# Altium PCB MainBoard.PcbDoc (part 1 of 2)
Units mm, origin at the board's own origin, x right, y up, seen from the top; angles counter-clockwise.
Board outline 225.25 x 90.25 mm, 2 copper layers (Top Layer, Bottom Layer); 103 components, 94 nets, 471 pads, 174 vias.
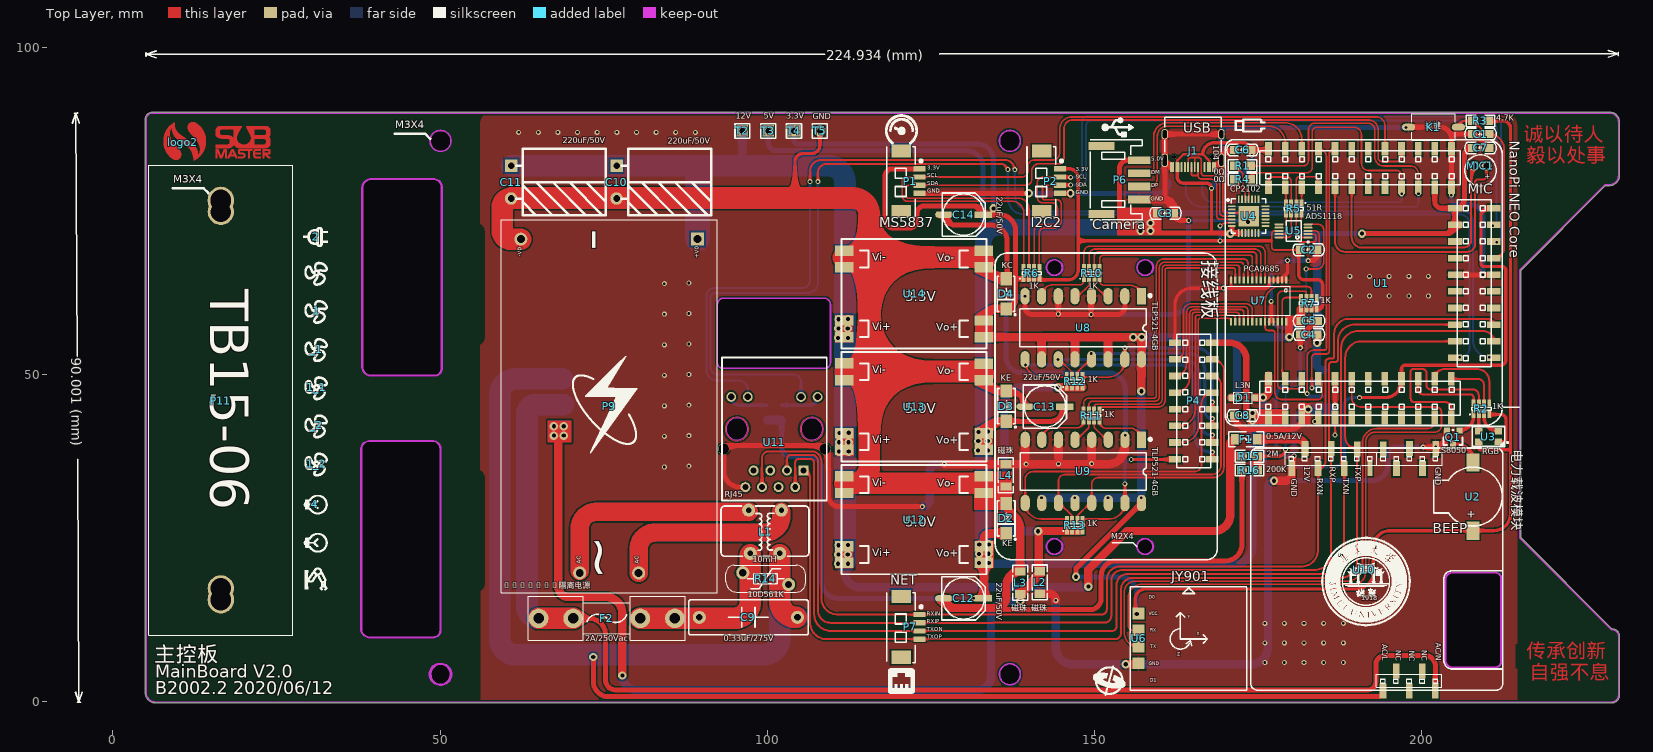
[diagram p0: Top Layer view]
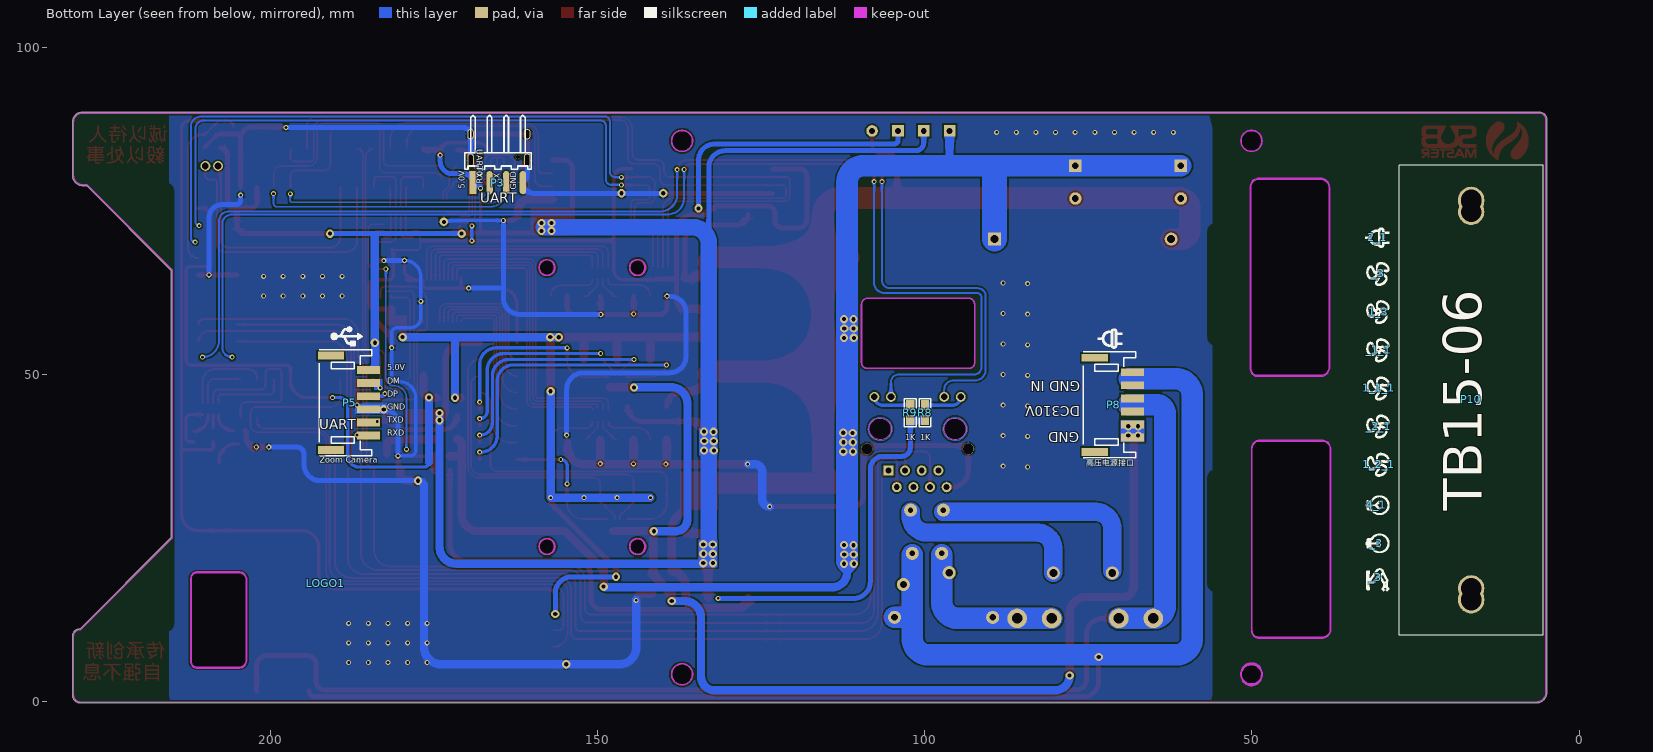
[diagram p1: Bottom Layer view, seen from below]

## Layer stack, top to bottom
Top Solder: solder mask 0.0102, Solder Resist, Dk 3.5
Top Layer: signal copper 0.0356
Dielectric 1: dielectric 0.32, FR-4, Dk 4.8
Bottom Layer: signal copper 0.0356
Bottom Solder: solder mask 0.0102, Solder Resist, Dk 3.5

## Board outline
6.566,-0.178 cw(c6.566,1.45) 4.939,1.45 4.939,88.926 cw(c6.09,88.926) 5.956,90.069 cw(c6,89.95) 6,90.077 228.695,90.077 cw(c228.695,88.578) 230.194,88.578 230.194,80.431 cw(c228.636,80.431) 228.636,78.873 228.053,78.873 215.127,65.947 215.127,25.053 229.053,11.127 229.066,11.127 cw(c229.066,10) 230.194,10 230.194,1.066 cw(c228.95,1.066) 228.95,-0.178 cw(c228.95,-0.05) 228.949,-0.178 6.566,-0.178 cw(c6.566,-0.05)
cut-out: 137.066,2.6 cw(c137.066,4.2) 135.466,4.2 cw(c137.066,4.2) 137.066,5.8 cw(c137.066,4.2) 138.666,4.2 cw(c137.066,4.2)
cut-out: 137.066,84.1 cw(c137.066,85.7) 135.466,85.7 cw(c137.066,85.7) 137.066,87.3 cw(c137.066,85.7) 138.666,85.7 cw(c137.066,85.7)
cut-out: 51.793,4.2 cw(c50.066,4.2) 51.793,4.226 cw(c51.666,4.224) 51.793,4.224 cw(c51.666,4.224) 51.538,4.222 cw(c51.666,4.224) 51.793,4.226 cw(c50.066,4.2)
cut-out: 51.793,4.2 cw(c50.066,4.2) 51.793,4.25 cw(c51.665,4.246) 51.793,4.246 cw(c51.665,4.246) 51.538,4.243 ccw(c50.066,4.2) 51.539,4.2 ccw(c50.066,4.2) 51.538,4.222 cw(c51.666,4.224) 51.793,4.226 cw(c50.066,4.2)
cut-out: 51.793,4.2 cw(c50.066,4.2) 51.793,4.25 cw(c51.665,4.246) 51.793,4.246 cw(c51.665,4.246) 51.538,4.243 ccw(c50.066,4.2) 51.539,4.2 ccw(c50.066,4.2) 51.538,4.222 cw(c51.666,4.224) 51.793,4.226 cw(c50.066,4.2)
cut-out: 50.072,84.104 cw(c50.072,85.704) 48.472,85.704 cw(c50.072,85.704) 50.072,87.304 cw(c50.072,85.704) 51.672,85.704 cw(c50.072,85.704)
cut-out: 93.202,50.951 cw(c93.202,51.789) 92.363,51.789 92.363,60.73 cw(c93.288,60.73) 93.288,61.655 108.7,61.655 cw(c108.7,60.715) 109.64,60.715 109.64,51.825 cw(c108.766,51.825) 108.766,50.951
cut-out: 38.073,51.003 cw(c38.193,51.045) 38.066,51.045 38.066,78.555 cw(c39.483,78.555) 39.483,79.972 49.001,79.972 cw(c49.001,78.653) 50.32,78.653 50.32,50.936 cw(c49.102,50.936) 49.102,49.717 39.493,49.717 cw(c39.493,51.145)
cut-out: 37.88,11.003 cw(c38,11.045) 37.873,11.045 37.873,38.555 cw(c39.29,38.555) 39.29,39.972 48.808,39.972 cw(c48.808,38.653) 50.127,38.653 50.127,10.936 cw(c48.909,10.936) 48.909,9.717 39.3,9.717 cw(c39.3,11.145)

## Design rules (kind name [scope] priority, off if disabled: settings)
Clearance Clearance_1 [All] p1: gap=0.178
ComponentClearance [All] p1: gap=0 collisioncheckmode=3 verticalgap=0 showdistances=FALSE
PolygonConnect [All] p1: connectstyle=Relief reliefconductorwidth=0.254 reliefentries=4 polygonreliefangle="90 Angle" airgapwidth=0.254
RoutingVias [All] p1: holewidth=0.711 width=1.27 viastyle="Through Hole" minholewidth=0.711 minwidth=1.27 maxholewidth=0.711 maxwidth=1.27
SolderMaskExpansion [All] p1: expansion=0.102
Width [All] p1: maxlimit=10 minlimit=0.127 preferedwidth=0.254
29 further rules are at their usual default settings.

## Classes and differential pairs
component class main: LOGO1 logo2
component class devices: C1 C2 C3 C4 C5 F1 J1 K1 MIC1 P1 P2 P3 P4 P5 P6 P7 Q1 R1 R2 R3 R4 R5 R6 R7 R8 R9 R10 R11 R12 R13 R? U2 U3 U4 U5 U6 U7 U8 U9 U10 U11
component class power: C9 C10 C11 C12 C13 C14 D2 D3 D4 F2 F? L1 L2 L3 L4 P8 P9 P10 P11 R14 R15 R16 T2 T3 T4 T5 U12 U13 U14
component class core: C6 C7 C8 D1 U1

## Components (designator, comment, footprint, x,y, rotation, side; value= is the part's Value field where it differs from the comment)
1 "" "旋浆 logo" 31.175,59.724 r0 top
1_1 "" "旋浆 logo" 31.175,48.067 r0 top
1_1_1 "" "旋浆 logo" 30.625,47.965 r180 bottom
1_2 "" "旋浆 logo" 31.175,36.409 r0 top
1_2_1 "" "旋浆 logo" 30.625,36.308 r180 bottom
1_3 "" "旋浆 logo" 30.625,59.622 r180 bottom
2 "" "电源 LOGO" 31.034,71.07 r270 top
2_1 "" "电源 LOGO" 30.767,70.968 r270 bottom
4 "" "LOGO Light" 30.851,30.177 r270 top
4_1 "" "LOGO Light" 30.95,30.076 r270 bottom
_1 "" "旋浆 logo" 31.175,53.895 r0 top
_1_1 "" "旋浆 logo" 30.625,53.794 r180 bottom
_2 "" "旋浆 logo" 31.175,42.238 r0 top
_2_1 "" "旋浆 logo" 30.625,42.136 r180 bottom
_3 "" "旋浆 logo" 30.625,65.451 r180 bottom
_3 "" "LOGO Light" 30.95,24.247 r270 bottom
_3 "" "LOGO 机械臂" 31.064,19.005 r270 bottom
C1 "104" 0805C 207.721,86.843 r0 top
C2 "104" 0805C 181.458,69.19 r0 top
C3 "104" 0805C 159.588,74.752 r0 top
C4 "104" 0805C 183.998,56.007 r180 top
C5 "104" 0805C 184.023,58.09 r180 top
C6 "104" 0805C 171.374,84.43 r0 top
C7 "104" 0805C 210.21,84.506 r180 top
C8 "104" 0805C 171.399,43.866 r0 top
C9 "0.33uF/275V" "CX 15*18*11" 97.155,12.954 r180 top
C10 "220uF/50V" "CAP 5.0*10*12.5-H - GD" 84.709,79.502 r270 top
C11 "220uF/50V" "CAP 5.0*10*12.5-H - GD" 68.605,79.502 r270 top
C12 "22uF/50V" "CM D(6.3*5.4)" 129.997,15.799 r0 top
C13 "22uF/50V" "CM D(6.3*5.4)" 142.443,45.11 r0 top
C14 "22uF/50V" "CM D(6.3*5.4)" 130.023,74.447 r0 top
D1 "L3N" SOD-123 172.542,46.609 r180 top
D2 "KE" SMA 136.804,28.499 r270 top
D3 "KE" SMA 136.83,45.644 r270 top
D4 "KC" SMA 136.779,62.814 r270 top
F1 "0.5A/12V" 1206F 173.457,39.903 r0 top
F2 "2A/250Vac" "FU 5x20" 76.149,12.421 r0 top
J1 "TypeC" "TYPE-C 16P" 164.897,85.065 r90 top
K1 "按键" 贴片按键 205.435,87.884 r180 top
L1 "10mH" T12x6x4 99.695,25.908 r90 top
L2 "磁珠" 1206L 141.681,16.561 r90 top
L3 "磁珠" 1206L 138.582,19.863 r270 top
L4 "磁珠" 1206L 136.398,36.271 r270 top
LOGO1 "" JMU_LOGO(1.35cm) 191.516,18.136 r0 bottom (schematic designator logo1)
logo2 "" "Sub master logo" 10.679,85.522 r0 top
MIC1 "MIC" MIC 208.966,81.001 r270 top
P1 "深度传感器" MX1.25WS-4PIN 120.523,84.226 r270 top
P2 "I2C-2" MX1.25WS-4PIN 141.986,84.226 r270 top
P3 "UART0" HDR2.54-WS-4P 165.125,83.312 r180 bottom
P4 "PWM接口" "接线板（ROV PWM）" 151.339,43.61 r0 top locked
P5 "Zoom Camera" PH2.0WS-6P 188.339,45.44 r270 bottom locked
P6 "Camera" PH2.0WS-4P 153.035,79.502 r270 top
P7 "网络接口" MX1.25WS-4PIN 120.523,16.11 r270 top
P8 "高压电源接口" PH2.0WS-6P 71.641,45.11 r270 bottom
P9 "Hi-Link隔离电源" HLK-20M24 59.334,16.688 r90 top locked
P10 "TB15-06" TB1506 16,46.2 r90 bottom
P11 "TB15-06" TB1506 16,46 r270 top
Q1 "S8050" SOT-23 205.664,41.3 r180 top
R1 "0Ω" 0805R 171.297,81.89 r0 top
R2 "1K" res-4 209.042,44.831 r90 top
R3 "4.7K" 0805R 207.645,88.748 r0 top
R4 "0Ω" 0805R 171.297,79.832 r0 top
R5 "51R" res-4 180.492,75.311 r270 top
R6 "1K" res-4 140.31,65.557 r90 top
R7 "1K" res-4 182.804,60.833 r270 top
R8 "1K" 0805R 99.924,42.875 r90 bottom
R9 "1K" 0805R 102.184,42.875 r90 bottom
R10 "1K" res-4 149.505,65.557 r90 top
R11 "1K" res-4 149.581,43.688 r270 top
R12 "1K" res-4 146.888,49.022 r90 top
R13 "1K" res-4 146.914,27.026 r90 top
R14 "10D561K" "VDR 10D-4.5" 100.228,19.304 r180 top
R15 "2M" 0805R 172.347,37.516 r0 top
R16 "200K" 0805R 174.955,35.408 r180 top
T2 "12V" "HEADER 1"#1 96.317,87.224 r0 top
T3 "5V" "HEADER 1"#1 100.262,87.224 r0 top
T4 "3.3V" "HEADER 1"#1 104.208,87.224 r0 top
T5 "GND" "HEADER 1"#2 108.153,87.224 r0 top
U1 "NanoPi NEO Core" "NanoPi NEO Core(无引脚名)" 192.456,63.906 r270 top locked
U2 "Buzzer" MLT-9032 208.229,31.191 r90 top
U3 "RGB" RGB-3528 208.712,41.3 r0 top
U4 "CP2102" QFN-28 171.628,76.124 r0 top
U5 "ADS1118" VSSOP-10 182.626,70.96 r180 top
U6 "JY901" 9轴模块(简易版) 162.763,9.423 r0 top
U7 "PCA9685" TSSOP-28 179.172,64.592 r270 top locked
U8 "TLP521-4GB" SOP16-W2.54_M 148.158,57.277 r270 top locked
U9 "TLP521-4GB" SOP16-W2.54_M 148.184,35.331 r270 top locked
U10 "电力载波模块" 电力载波模块6410（贴片排母） 192.303,19.329 r270 top locked
U11 "RJ45" RJ45 95.148,41.707 r0 top locked
U12 "5.0V" MP1584电源模块 113.182,31.937 r0 top locked
U13 "5.0V" MP1584电源模块 113.182,49.179 r0 top locked
U14 "3.3V" MP1584电源模块 113.182,66.421 r0 top locked
? "" "LOGO 机械臂" 30.737,19.107 r270 top
? "" "LOGO Light" 30.851,24.349 r270 top
? "" LOGO_Thunder 77.445,45.212 r0 top
? "" "电源 LOGO" 71.603,55.55 r270 bottom
? "" "USB LOGO - duplicate" 153.365,87.935 r0 top
? "" "USB LOGO - duplicate" 188.468,55.931 r180 bottom
? "" "USBC LOGO" 173.825,88.075 r90 top
? "" "ethernet LOGO" 120.472,3.15 r0 top
? "" "气压 LOGO" 120.472,87.3 r0 top
? "" "旋浆 logo" 31.175,65.553 r0 top
? "" "陀螺仪 logo" 152.121,2.997 r0 top

## Footprints (in the part's own frame and the unit in brackets; to place one, negate y for a bottom-side part, rotate by r counter-clockwise, add the part's x,y. Pads: shape width x height; smd on the part's side, far side on the other; paste and mask are expansions set on the pad)
9轴模块(简易版) [mil]
  rect 70x70 smd: 2(-238.19,159.91) 3(-238.19,59.91) 4(-238.19,-40.09) 5(-238.19,-140.09)
  silkscreen extent -288,-302 413,321, body extent -254,-303 378,322, height 87
0805C [mm]
  rect 1.35x1.25 smd: 1(-0.025,-0.112) 2(2.515,-0.112)
  silkscreen extent -1.15,-1 3.64,0.78, body extent -0.03,-0.75 2.48,0.5, height 0.79
0805R [mil]
  rect 60x50 smd: 1(6.34,0.5) 2(96.34,0.5)
  silkscreen extent -34,-34 136,36, body extent 2,-24 101,24, height 31
1206F [mil] "保险丝"
  rect 50x65 smd: 1(-79.5,8) 2(55.5,8)
  silkscreen extent -117,-37 93,53, body extent -75,-24 51,40, height 34
1206L [mil]
  rect 50x65 smd: 1(-1.59,1.89) 2(133.41,1.89)
  silkscreen extent -39,-43 171,47, body extent 3,-28 129,35, height 35
"CAP 5.0*10*12.5-H - GD" [mm] "脚距5mm直径10mm高度12.5mm"
  rect 1.9x1.9 hole 1: 1(-2.398,-7.747)
  round 1.9 hole 1: 2(2.602,-7.747)
  silkscreen extent -4.98,-6.98 5.18,6.73, body extent -4.9,-8.05 5.11,6.66, height 10.03
"CM D(6.3*5.4)" [mm] "贴片电解电容，直径6.3mm，高5.4mm"
  rect 2.7x1 smd: 1(2.975,0)
  oval 2.7x1 smd: 2(-3.025,0)
  silkscreen extent -3.33,-3.3 3.27,3.3, body extent -3.53,-3.3 3.47,3.3, height 5.4
"CX 15*18*11" [mm] "安规电容"
  round 2 hole 1: 1(-7.449,0.051) 2(7.551,0.051)
  silkscreen extent -9.12,-2.62 9.14,2.72, body extent -8.97,-2.46 9.03,2.54, height 11.01
"ethernet LOGO" [mm]
  silkscreen extent -2.02,-1.84 2.02,1.97
"FU 5x20" [mm] "5*20保险管底座夹子"
  round 3 hole 1.6: 1(-11.086,0.33) 1(-5.816,0.33) 2(4.444,0.33) 2(9.714,0.33)
  silkscreen extent -12.69,-3.05 11.31,3.71, body extent -11.49,-2.82 10.11,3.48, height 9.77
HDR2.54-WS-4P [mm] "4P卧式贴片排针2.54"
  rect 1.02x3.5 smd: 1(-3.886,-3.976)
  oval 1.02x3.5 smd: 2(-1.346,-3.976) 3(1.194,-3.976) 4(3.734,-3.976)
  silkscreen extent -5.16,-1.94 5,6.31, body extent -5.16,-4.74 5,6.36, height 2.54
"HEADER 1"#1 [mil]
  rect 70x70 hole 35: 1(-5,0)
  silkscreen extent -50,-45 40,44
"HEADER 1"#2 [mil]
  round 70 hole 35: 1(-5,0)
  silkscreen extent -50,-45 40,44
HLK-20M24 [mm] "HILINK 24V隔离电源模块"
  round 2 hole 1.2: 1(3,-12) 2(3,-21) 4(54,-3)
  rect 2x2 hole 1.2: 3(54,-30)
  silkscreen extent 0,-33 57,0, body extent 0,-33 57,0, height 22.6
JMU_LOGO(1.35cm) [mm]
"LOGO Light" [mm]
  silkscreen extent -1.42,-1.6 1.49,1.95
"LOGO 机械臂" [mm]
  silkscreen extent -1.37,-1.36 2.08,2.07
LOGO_Thunder [mm]
  silkscreen extent -7.24,-7.19 2.67,7.62
MIC [mm]
  round 1.5 hole 1.016: 1(-0.875,0.925) 2(-0.875,-1)
  silkscreen extent -2.6,-2.4 2.2,2.4, body extent -3.1,-2.97 2.9,3.02, height 2.21
MLT-9032 [mm]
  rect 2.8x2 smd: 1(-5.04,0.429) 2(5.36,0.429)
  silkscreen extent -4.34,-4.07 4.66,6.43, body extent -5.07,-4.07 5.43,6.43, height 3.2
MP1584电源模块 [mm]
  rect 2.8x1.6 smd: 1(-1.441,-0.032) 1(-1.441,2.519) 2(-1.441,-10.7) 2(-1.441,-8.16) 3(19.901,-10.7) 3(19.901,-8.16) 4(19.901,-0.032) 4(19.901,2.508)
  silkscreen extent -1.82,-12.45 20.28,4.26, body extent -1.97,-12.42 20.3,4.18, height 4.65
MX1.25WS-4PIN [mm]
  rect 2x3 smd: 0(0.042,-0.076) 0(9.306,-0.076)
  rect 0.8x1.778 smd: 1(2.785,2.734) 2(4.035,2.734) 3(5.285,2.734) 4(6.535,2.734)
  silkscreen extent -0.56,-2.3 10.12,3.17, body extent -0.47,-2.04 9.68,3.15, height 3.4
"NanoPi NEO Core(无引脚名)" [mm]
  rect 2.1x1.02 smd: 1(-20.612,-15.878) 2(-14.712,-15.878) 3(-20.612,-13.338) 4(-14.712,-13.338) 5(-20.612,-10.798) 6(-14.712,-10.798) 7(-20.612,-8.258) 8(-14.712,-8.258) 9(-20.612,-5.718) 10(-14.712,-5.718) 11(-20.612,-3.178) 12(-14.712,-3.178) 13(-20.612,-0.638) 14(-14.712,-0.638) 15(-20.612,1.902) 16(-14.712,1.902) 17(-20.612,4.442) 18(-14.712,4.442) 19(-20.612,6.982) 20(-14.712,6.982) 21(-20.612,9.522) 22(-14.712,9.522) 23(-20.612,12.062) 24(-14.712,12.062) 25(14.55,-15.883) 26(20.45,-15.883) 27(14.55,-13.343) 28(20.45,-13.343) 29(14.55,-10.803) 30(20.45,-10.803) 31(14.55,-8.263) 32(20.45,-8.263) 33(14.55,-5.723) 34(20.45,-5.723) 35(14.55,-3.183) 36(20.45,-3.183) 37(14.55,-0.643) 38(20.45,-0.643) 39(14.55,1.897) 40(20.45,1.897) 41(14.55,4.437) 42(20.45,4.437) 43(14.55,6.977) 44(20.45,6.977) 45(14.55,9.517) 46(20.45,9.517) 47(14.55,12.057) 48(20.45,12.057)
  rect 1.02x2.1 smd: 49(11.359,12.625) 50(11.359,18.525) 51(8.819,12.625) 52(8.819,18.525) 53(6.279,12.625) 54(6.279,18.525) 55(3.739,12.625) 56(3.739,18.525) 57(1.199,12.625) 58(1.199,18.525) 59(-1.341,12.625) 60(-1.341,18.525) 61(-3.881,12.625) 62(-3.881,18.525) 63(-6.421,12.625) 64(-6.421,18.525) 65(-8.961,12.625) 66(-8.961,18.525) 67(-11.501,12.625) 68(-11.501,18.525)
  silkscreen extent -21.98,-22.47 21.7,19.85, body extent -20.96,-17.21 20.6,18.67, height 5.15
PH2.0WS-4P [mm]
  rect 1.2x4 smd: 0(-5.445,-1.962) 0(4.955,-1.962)
  rect 1.2x3.5 smd: 1(-3.245,3.788) 2(-1.245,3.788) 3(0.755,3.788) 4(2.755,3.788)
  silkscreen extent -6.34,-3.73 5.85,4.27, body extent -6.24,-3.61 5.76,4.99, height 5.55
PH2.0WS-6P [mm]
  rect 1.2x4 smd: 0(-7.453,-2.365) 0(6.947,-2.365)
  rect 1.2x3.5 smd: 1(-5.253,3.385) 2(-3.253,3.385) 3(-1.253,3.385) 4(0.747,3.385) 5(2.747,3.385) 6(4.747,3.385)
  silkscreen extent -8.35,-4.14 7.84,3.86, body extent -8.25,-4.01 7.75,4.59, height 5.55
QFN-28 [mm] "CP2102  USB转串口芯片"
  rect 3.13x3.13 smd mask+0.051: 0(1.909,-1.918)
  oval 1.2x0.28 smd mask+0.051: 1(-0.668,-0.418) 2(-0.668,-0.918) 3(-0.668,-1.418) 4(-0.668,-1.918) 5(-0.668,-2.418) 6(-0.668,-2.918) 7(-0.668,-3.418) 15(4.486,-3.418) 16(4.486,-2.918) 17(4.486,-2.418) 18(4.486,-1.918) 19(4.486,-1.418) 20(4.486,-0.918) 21(4.486,-0.418)
  oval 0.28x1.2 smd mask+0.051: 8(0.409,-4.495) 9(0.909,-4.495) 10(1.409,-4.495) 11(1.909,-4.495) 12(2.409,-4.495) 13(2.909,-4.495) 14(3.409,-4.495) 22(3.409,0.66) 23(2.909,0.66) 24(2.409,0.66) 25(1.909,0.66) 26(1.409,0.66) 27(0.909,0.66) 28(0.409,0.66)
  silkscreen extent -1.39,-4.57 4.56,0.73, body extent -0.58,-4.42 4.42,0.58, height 1
res-4 [mil] "排阻"
  rect 40x23.62 smd: 1(-37,45) 2(-37,13.5) 3(-37,-17.99) 4(-37,-49.49) 5(33,-49.49) 6(33,-17.99) 7(33,13.5) 8(33,45)
  silkscreen extent -37,-60 7,68, body extent -33,-66 30,60, height 23
RGB-3528 [mm]
  rect 1.2x1 smd: 1(-0.029,0.03) 2(-0.029,-1.57) 3(2.971,0.03) 4(2.971,-1.57)
  silkscreen extent -1.01,-2.3 4.51,0.76, body extent -0.32,-2.2 3.18,0.6, height 1.9
RJ45 [mm]
  rect 1.524x1.524 hole 0.889: 1(10.38,-6.369)
  round 1.524 hole 0.889: 2(9.11,-8.909) 3(7.84,-6.369) 4(6.57,-8.909) 5(5.3,-6.369) 6(4.03,-8.909) 7(2.76,-6.369) 8(1.49,-8.909)
  round 1.5 hole 1.02: 9(12.53,4.881) 10(9.994,4.881) 11(1.866,4.881) 12(-0.67,4.881)
  round 1.7 hole 1.65: 13(13.68,-3.067) 14(-1.82,-3.067)
  round 2.95 hole 3.25: MH3(0.214,-0.032) MH3(11.644,-0.032)
  Keep-Out Layer circle w0.051: c11.646,-0.019 r1.65
  Keep-Out Layer circle w0.051: c0.216,-0.019 r1.65
  Multi-Layer circle w0.127: c0.214,-0.032 r1.798
  Multi-Layer circle w0.127: c11.644,-0.032 r1.798
  silkscreen extent -2.07,-10.94 13.93,10.9, body extent -2.09,-10.6 13.79,10.8, height 14
SMA [mm] "二极管"
  rect 2x1.75 smd: 1(-1.829,-0.305) 2(2.771,-0.305)
  silkscreen extent -2.23,-1.65 3.78,1.19, body extent -2.06,-1.63 3.05,0.97, height 2.15
SOD-123 [mm]
  rect 0.8x1 smd: 1(-1.988,0.151) 2(1.67,0.151)
  silkscreen extent -1.56,-0.7 1.24,1, body extent -2.06,-0.74 1.79,0.96, height 1.43
SOP16-W2.54_M [mm]
  rect 2.5x1.4 smd: 1(-4.699,8.992)
  oval 2.5x1.4 smd: 2(-4.699,6.452) 3(-4.699,3.912) 4(-4.699,1.372) 5(-4.699,-1.168) 6(-4.699,-3.708) 7(-4.699,-6.248) 8(-4.699,-8.788) 9(4.953,-8.788) 10(4.953,-6.248) 11(4.953,-3.708) 12(4.953,-1.168) 13(4.953,1.372) 14(4.953,3.912) 15(4.953,6.452) 16(4.953,8.992)
  silkscreen extent -4.93,-9.57 3,10.47, body extent -4.87,-9.81 5.13,10.01, height 3.82
SOT-23 [mil]
  rect 36x36 smd: 1(-2.52,-5.16) 2(72.48,-5.16)
  rect 36x50 smd: 3(35.48,74.84)
  silkscreen extent -23,-10 92,80, body extent -22,-18 92,92, height 47
"Sub master logo" [mm]
  Top Layer drawing of 1550 lines, arcs and shapes, not listed
T12x6x4 [mm]
  round 2 hole 0.8: 1(-3.224,2.301) 2(3.376,2.551) 3(3.376,-2.449) 4(-3.224,-2.199)
  silkscreen extent -3.68,-6.68 4.01,6.78, body extent -3.53,-6.55 3.87,6.65, height 12
TB1506 [mm]
  round 4 hole 3.1: 0(-30.5,0.5) 0(-28.85,0.5) 0(28.65,0.5) 0(30.5,0.5)
  silkscreen extent -36,-10.5 35.8,11.5, body extent -36.6,-10.5 36.4,11.5, height 17
TSSOP-28 [mm]
  rect 1.1x0.35 smd: 1(0.134,0.126) 2(0.134,-0.524) 3(0.134,-1.174) 4(0.134,-1.824) 5(0.134,-2.474) 6(0.134,-3.124) 7(0.134,-3.774) 8(0.134,-4.424) 9(0.134,-5.074) 10(0.134,-5.724) 11(0.134,-6.374) 12(0.134,-7.024) 13(0.134,-7.674) 14(0.134,-8.324) 15(6.534,-8.324) 16(6.534,-7.674) 17(6.534,-7.024) 18(6.534,-6.374) 19(6.534,-5.724) 20(6.534,-5.074) 21(6.534,-4.424) 22(6.534,-3.774) 23(6.534,-3.124) 24(6.534,-2.474) 25(6.534,-1.824) 26(6.534,-1.174) 27(6.534,-0.524) 28(6.534,0.126)
  silkscreen extent 1.13,-8.95 5.53,0.75, body extent 0.15,-8.95 6.55,0.75, height 0.92
"TYPE-C 16P" [mm] "贴片USB-3.1  4固定插脚"
  round 0.65 hole 0.65: 0(-1.834,2.735) 0(-1.834,-3.045)
  oval 1.6x1 hole 0.6 slot 1.2 at 0 deg: 1(1.666,4.17) 2(1.666,-4.48)
  oval 2.1x1 hole 0.6 slot 1.7 at 0 deg: 3(-2.334,-4.48) 4(-2.334,4.17)
  rrect50% 1.5x0.3 smd: A1(-3.374,-3.505) A4(-3.374,-2.705) A6(-3.374,-0.405) A7(-3.374,0.095) A8(-3.374,1.095) A9(-3.374,2.395) A12(-3.374,3.195) B1(-3.374,2.895) B4(-3.374,2.095) B5(-3.374,1.595) B6(-3.374,0.595) B7(-3.374,-0.905) B8(-3.374,-1.905) B9(-3.374,-2.405) B12(-3.374,-3.205)
  rrect50% 0x0 smd: A5(-3.374,-1.405)
  silkscreen extent -1.07,-4.48 4.27,4.17, body extent -3.45,-4.65 4.45,4.29, height 3.25
"USB LOGO - duplicate" [mm]
  silkscreen extent -2.29,-1.62 2.59,1.34
"USBC LOGO" [mm]
  silkscreen extent -1.07,-2.23 1,2.3
"VDR 10D-4.5" [mm] "压敏电阻10mm*4.5mm(直径*厚度）"
  round 2 hole 1.1: 1(-3.017,1.383) 2(3.983,-0.417)
  silkscreen extent -5.61,-1.55 6.58,2.53, body extent -5.52,-1.52 6.48,2.48, height 13.5
VSSOP-10 [mm]
  oval 1.35x0.3 smd: 1(0,0.008) 2(0,-0.492) 3(0,-0.992) 4(0,-1.492) 5(0,-1.992) 6(4.45,-1.992) 7(4.45,-1.492) 8(4.45,-0.992) 9(4.45,-0.492) 10(4.45,0.008)
  silkscreen extent -0.13,-2.54 3.37,0.83, body extent -0.24,-2.48 4.69,0.53, height 1.1
"接线板（ROV PWM）" [mm]
  rect 1.9x1.02 smd: 1(16.643,-6.533) 2(10.943,-6.533) 3(16.643,-3.993) 4(10.943,-3.993) 5(16.643,-1.453) 6(10.943,-1.453) 7(16.643,1.087) 8(10.943,1.087) 9(16.643,3.627) 10(10.943,3.627) 11(16.643,6.167) 12(10.943,6.167) 13(16.643,8.707) 14(10.943,8.707) 15(16.643,11.247) 16(10.943,11.247)
  Keep-Out Layer circle w0.254: c-7.506,22.739 r1.2
  Keep-Out Layer circle w0.254: c6.344,22.739 r1.2
  Keep-Out Layer circle w0.254: c6.344,-19.883 r1.2
  Keep-Out Layer circle w0.254: c-7.506,-19.883 r1.2
  Keep-Out Layer board cut-out: -7.379,21.539 -7.838,21.631 -8.227,21.891 -8.487,22.28 -8.579,22.739 -8.579,22.739 -8.487,23.198 -8.227,23.588 -7.838,23.848 -7.379,23.939 -7.379,23.939 -6.919,23.848 -6.53,23.588 -6.27,23.198 -6.179,22.739 -6.179,22.739 -6.27,22.28 -6.53,21.891 -6.919,21.631 -7.379,21.539
  Keep-Out Layer board cut-out: 6.471,21.539 6.012,21.631 5.623,21.891 5.363,22.28 5.271,22.739 5.271,22.739 5.363,23.198 5.623,23.588 6.012,23.848 6.471,23.939 6.471,23.939 6.931,23.848 7.32,23.588 7.58,23.198 7.671,22.739 7.671,22.739 7.58,22.28 7.32,21.891 6.931,21.631 6.471,21.539
  Keep-Out Layer board cut-out: 6.471,-21.083 6.012,-20.991 5.623,-20.731 5.363,-20.342 5.271,-19.883 5.271,-19.883 5.363,-19.423 5.623,-19.034 6.012,-18.774 6.471,-18.683 6.471,-18.683 6.931,-18.774 7.32,-19.034 7.58,-19.423 7.671,-19.883 7.671,-19.883 7.58,-20.342 7.32,-20.731 6.931,-20.991 6.471,-21.083
  Keep-Out Layer board cut-out: -7.379,-21.083 -7.838,-20.991 -8.227,-20.731 -8.487,-20.342 -8.579,-19.883 -8.579,-19.883 -8.487,-19.423 -8.227,-19.034 -7.838,-18.774 -7.379,-18.683 -7.379,-18.683 -6.919,-18.774 -6.53,-19.034 -6.27,-19.423 -6.179,-19.883 -6.179,-19.883 -6.27,-20.342 -6.53,-20.731 -6.919,-20.991 -7.379,-21.083
  silkscreen extent -16.55,-21.88 17.38,24.96, body extent -16.55,-22.26 17.37,25.21, height 15.58
"旋浆 logo" [mm]
  silkscreen extent -1.88,-1.89 1.63,1.65
"气压 LOGO" [mm]
  silkscreen extent -2.46,-2.06 2.51,2.45
电力载波模块6410（贴片排母） [mil]
  rect 90.16x40.16 smd mask+0: 0(575,148.26) 1(-762,385.74) 2(-642,307) 3(-762,228.26) 4(-641,150) 5(-761,71.26) 7(-761,-86.22) 8(-642,-164) 9(-762,-242.74) 10(-642,-321.48) 11(-762,-400.22) 12(-642,-479.48) 13(695,69.52) 14(695,227) 15(575,305.74) 16(695,384.48)
  rect 90.16x30 smd mask+0: 6(-641,-7.48)
  Keep-Out Layer board cut-out: -20.6,484.79 -20.68,485.31 -20.71,485.83 -20.71,485.83 -20.71,742.94 -20.7,743.15 -20.69,743.37 -20.69,743.37 -14.73,763.6 0.4,778.29 20.8,783.64 20.8,783.64 519.25,783.64 519.25,783.65 538.73,778.42 553,764.16 558.22,744.68 558.22,744.68 558.22,486.18 558.19,485.63 558.1,485.08 558.1,485.08 550.82,463.27 533.99,447.61 511.71,441.93 511.71,441.93 21.71,441.93 20.83,442.01 19.97,442.24 19.97,442.24 19.97,442.24 0.16,449.41 -14.38,464.66 -20.6,484.79
  Keep-Out Layer lines w10: 25.31,446.94 cw(c25.31,487.94) -15.69,487.94 ; 21.71,446.94 511.71,446.94 ccw(c511.71,488.44) 553.2,488.44 ; -15.69,485.83 -15.69,742.94 ; 553.2,486.18 553.2,744.68 ccw(c519.25,744.68) 519.25,778.63 20.8,778.63 ccw(c20.8,742.14) -15.69,742.14
  silkscreen extent -766,-726 691,790, body extent -740,-518 674,427, height 217
"电源 LOGO" [mm]
  silkscreen extent -1.47,-1.85 1.57,1.77
贴片按键 [mil]
  oval 80x40 smd: 1(-5.71,2.8) 2(294.29,2.8)
  silkscreen extent 14,-76 274,82, body extent 24,-69 264,77, height 98
"陀螺仪 logo" [mm]
  silkscreen extent -2.35,-1.98 2.58,2.52

## Part data
C1 C2 C3 C4 C5 C6 C7 C8: library part Cap1, "无极贴片电容"
C9: library part Cap2, "安规电容"
C10 C11 C12 C13 C14: library part Cap3, "直插极性电容"
D1: library part Diode, "二极管30V/2A"
D2 D3 D4: library part Diode, "二极管"
F1 F2: library part Fuse, "保险丝"
K1: library part 贴片按键, "轻触开关"
L1: library part 共模电感
L2 L3 L4: library part L, "电感"
LOGO1: library part JMU_LOGO, "LOGO"
logo2: library part "Sub Master logo"
P1 P2 P6 P7: library part 接线端子-4PIN, "4PIN"
P3: library part "Header 4", "排针"
P4: library part "Header 2X8"
P5 P8: library part 接线端子-6PIN, "6PIN"
P9: library part HILINK-24V
Q1: library part NPN, "NPN三极管"
R1 R3 R4 R8 R9: library part Res, "电阻"
R2 R5 R6 R7 R10 R11 R12 R13: library part Res-4, "排阻"
R14: library part 压敏电阻
R15 R16: library part R1
T2 T3 T4 T5: library part 测试点, "测试点"
U2: "蜂鸣器"
U4: "USB转串口芯片"
U6: library part 9轴加速度计
U10: library part 电力载波模块6410
U12 U13 U14: library part MP1584电源模块

## Via types
v1: diameter 0.762, hole 0.406, Top Layer to Bottom Layer, 110 vias
v2: diameter 1.27, hole 0.635, Top Layer to Bottom Layer, 64 vias

## Nets (pads, with @x,y where several pads share a name; then routed paths per layer and width w, separated by ;. In a path a pad name is that pad's centre, name@x,y a point inside that pad or via, vN(x,y) a via of type N, cw(c..) or ccw(c..) an arc to the next point about the centre after c; other vN are vias at no path point)
+DC310V: F2.1 P8.3 P8.4 U10.16 | length 199
  Top Layer w0.762: F2.1@70.333,12.751 72.746,12.751 cw(c72.746,10.211) 75.286,10.211 75.286,3.327 ccw(c76.784,3.327) 76.784,1.829 191.77,1.829 ccw(c191.77,3.023) 192.964,3.023 192.964,5.658 cw(c194.392,5.658) 194.392,7.087 200.457,7.087 cw(c200.457,5.474) 202.069,5.474 U10.16@202.069,1.676
  Top Layer w3.302: F2.1@65.063,12.751 F2.1@70.333,12.751
  Bottom Layer w3.302: 68.885,45.39 64.594,45.39 ccw(c64.594,44.067) 63.271,44.067 63.271,14.543 ccw(c65.063,14.543) F2.1@65.063,12.751 F2.1@70.333,12.751
ADCIN0: U5.4
ADCIN1: R15.2 R16.1 U5.5 | length 47.5
  Top Layer w0.254: v1(182.321,66.116) 183.958,66.116 ccw(c183.958,67.147) 184.988,67.147 184.988,72.136 ccw(c184.173,72.136) 184.173,72.952 U5.5@182.626,72.952
  Top Layer w0.508: R15.2@174.794,37.529 178.118,37.529 ccw(c178.118,38.583) v1(179.172,38.583)
  Top Layer w1.27: R16.1@174.794,35.395 R15.2@174.794,37.529
  Bottom Layer w0.254: v1(179.172,38.583) 179.172,46.406 cw(c181.051,46.406) 181.051,48.285 ccw(c181.051,49.555) 182.321,49.555 v1(182.321,66.116)
BEEP(C0): R2.8 U1.43 | length 11.6
  Top Layer w0.305: U1.43@199.433,49.356 199.433,47.648 ccw(c200.09,47.648) 200.09,46.99 207.384,46.99 cw(c207.384,46.475) 207.899,46.475 R2.8@207.899,45.669
CP_USB_D+: J1.A6 J1.B6 U4.4 | length 17.4
  Top Layer w0.254: J1.B6@164.302,81.69 164.313,81.69 164.313,82.829 cw(c164.643,82.829) 164.643,83.16 165.302,83.16 ; J1.A6@165.302,81.69 165.302,83.16 ; U4.4@170.959,74.206 169.71,74.206 cw(c169.71,74.803) 169.113,74.803 169.113,79.527 ccw(c168.275,79.527) 168.275,80.366 166.751,80.366 cw(c166.751,80.797) 166.319,80.797 166.319,82.702 ccw(c165.862,82.702) 165.862,83.16 165.302,83.16
CP_USB_D-: J1.A7 J1.B7 U4.5 | length 14.4
  Top Layer w0.254: J1.A7@164.802,81.69 164.802,80.613 ccw(c164.998,80.613) 164.998,80.416 165.802,80.416 ; J1.B7@165.802,81.69 165.802,80.416 ; U4.5@170.959,73.706 170.21,73.706 169.245,73.706 cw(c169.245,74.295) 168.656,74.295 168.656,78.892 ccw(c167.665,78.892) 167.665,79.883 166.335,79.883 cw(c166.335,80.416) 165.802,80.416
DGND: C1.1 C2.2 C3.2 C4.2 C5.1 C6.1 C7.1 C8.1 J1.1 J1.2 J1.3 J1.4 J1.A1 J1.A12 J1.B1 J1.B12 K1.2 L2.1 L4.1 P1.4 P2.4 P3.4 P4.16 P5.4 P6.4 Q1.2 U1.23 U1.24 U1.30 U1.33 U1.59 U1.60 U4.0 U4.3 U5.3 U6.5 U7.1 U7.2 U7.3 U7.4 U7.5 U7.14 U7.24 U7.25 U8.2 U8.4 U8.6 U8.8 U9.2 U9.4 U9.6 U9.8 U10.1 U10.12 U11.8 U11.13 U11.14 | length 598.2
  Top Layer w0.254: J1.3@169.377,82.73 cw(c169.377,82.511) 169.596,82.511 169.596,75.311 ccw(c170.201,75.311) 170.201,74.706 U4.3@170.959,74.706 U4.0@173.037,74.706 ; v2(173.457,73.33) U4.0@173.457,74.286 ; U5.3@182.626,71.952 183.693,71.952 cw(c183.693,71.342) 184.302,71.342 184.302,69.718
  Top Layer w0.508: P4.16@162.282,54.856 162.282,60.655 cw(c164.822,60.655) 164.822,63.195 v1(169.672,63.195) 176.117,63.195 ccw(c176.117,63.776) 176.698,63.776 U7.5@176.698,64.458 U7.4@177.348,64.458 U7.3@177.998,64.458 ; 170.84,63.246 U7.14@170.84,64.821 ; U7.24@176.698,58.058 176.987,58.058 ; v1(176.987,61.189) 176.987,58.058 ; U7.25@177.348,58.058 176.987,58.058 ; U7.1@179.298,64.458 U7.2@178.648,64.458 U7.3@177.998,64.458 ; v1(179.476,67.437) 179.476,65.937 cw(c177.998,65.937) U7.3@177.998,64.458 ; C1.1@207.696,86.73 208.022,86.73 C7.1@210.134,84.618
  Top Layer w0.762: U11.8@96.638,32.798 95.868,32.798 cw(c95.868,35.338) 93.328,35.338 U11.14@93.328,38.64 cw(c93.855,38.64) 93.855,39.167 108.301,39.167 cw(c108.301,38.64) U11.13@108.828,38.64 cw(c108.828,38.121) 109.347,38.121 109.347,31.471 ccw(c110.998,31.471) 110.998,29.82 v1(123.673,29.82) ; P1.4@123.257,77.692 v2(139.936,77.692) ; v1(139.37,61.976) 139.37,60.278 ccw(c140.466,60.278) 140.466,59.182 v1(149.479,59.182) ; v1(144.45,59.258) U8.6@144.45,61.976 ; P2.4@144.72,77.692 v2(146.322,77.692) ; U8.4@149.53,61.976 ccw(c149.53,61.925) 149.479,61.925 v1(149.479,59.182) ; 152.095,36.312 ccw(c152.39,36.312) 152.39,36.017 ; U8.2@154.61,61.976 154.61,60.299 cw(c153.493,60.299) 153.493,59.182 v1(149.479,59.182) ; U9.2@154.635,38.852 U9.2@154.635,40.03 ; 161.217,76.602 cw(c161.217,77.092) 160.914,76.707 cw(c161.217,77.092) 160.727,77.092 J1.4@160.727,82.665 ; J1.A12@161.702,81.69 J1.4@160.727,82.665 ; C3.2@162.103,74.64 ccw(c163.21,74.64) 163.21,73.533 v1(164.363,73.533) ; J1.A1@168.402,81.69 169.377,82.665 J1.3@169.377,82.73 cw(c170.963,82.73) 170.963,84.317 C6.1@171.349,84.317 ; J1.2@169.377,86.73 J1.1@160.727,86.73 J1.4@160.727,82.73 J1.4@160.727,82.665 ; C8.1@171.374,43.753 ccw(c173.522,43.753) 173.522,41.605 179.802,41.605 ccw(c179.802,43.456) U1.30@181.653,43.456 ; U10.12@180.125,35.636 ccw(c180.125,35.979) 180.467,35.979 v1(180.467,37.592) ; v1(181.432,54.102) 181.432,56.094 cw(c181.457,56.094) C4.2@181.457,56.119 ; C4.2@181.61,55.956 183.856,58.202 C5.1@184.048,58.202 ; v1(182.626,67.412) 183.246,67.412 ccw(c183.246,68.139) 183.973,68.139 C2.2@183.973,69.077 ; v1(186.733,45.339) U1.33@186.733,49.356 ; v1(197.579,87.737) K1.2@197.96,87.737 ; K1.2@197.96,87.813 202.763,87.813 cw(c202.763,86.059) 204.382,86.734 204.382,86.73 204.384,86.73 ; v1(200.203,38.913) 201.873,38.913 cw(c201.873,38.684) U10.1@202.101,38.684 202.108,38.684 ccw(c202.108,40.208) 203.632,40.208 203.632,41.24 cw(c203.823,41.24) Q1.2@203.823,41.431 ; U1.24@204.518,78.618 U1.23@204.518,84.518 204.518,86.059 ccw(c202.763,86.059) 204.384,86.73 ; U1.59@205.081,65.247 v1(209.347,65.247) U1.60@210.981,65.247 ; C1.1@207.696,86.73 204.384,86.73
  Top Layer w1.27: v1(127.036,36.312) L4.1@136.446,36.312 v1(139.548,36.312) ; U9.8@139.395,40.03 139.395,36.464 ccw(c139.548,36.464) v1(139.548,36.312) ; L2.1@141.633,16.52 143.043,16.52 cw(c143.043,15.494) v1(144.069,15.494) ; U9.6@144.475,40.03 144.475,36.566 ccw(c144.729,36.566) v1@144.729,36.312 ; U9.4@149.555,40.03 v1(149.555,36.388) ccw(c149.631,36.388) v1@149.631,36.312 ; U9.2@154.635,38.852 cw(c152.095,38.852) 153.901,37.066 cw(c152.095,38.852) 152.095,36.312 v1@149.631,36.312 ; v2(154.762,5.74) 156.589,5.74 U6.5@156.713,5.865 ; P6.4@156.823,76.747 160.565,76.747 cw(c160.565,75.209) 160.914,76.707 cw(c160.565,75.209) 161.217,76.602 cw(c160.565,75.209) 162.103,75.209 C3.2@162.103,74.64 ; v2(177.419,33.782) 179.087,33.782 ccw(c179.087,34.819) 180.125,34.819 U10.12@180.125,35.636 ; v1(139.548,36.312) v1@144.729,36.312 ; v1@144.729,36.312 v1@149.631,36.312
  Bottom Layer w0.508: v1(164.363,73.533) 173.253,73.533 cw(c173.253,73.33) v2(173.457,73.33) ; v1(179.476,67.437) ccw(c179.476,64.948) 176.987,64.948 v1(176.987,61.189) 176.987,58.7 ccw(c178.52,58.7) 178.52,57.167 180.577,57.167 cw(c180.577,56.312) 181.432,56.312 v1(181.432,54.102) 181.432,50.114 cw(c180.238,50.114) 180.238,48.92 ccw(c180.238,46.431) 177.749,46.431 177.749,38.405 ccw(c178.562,38.405) 178.562,37.592 v1(180.467,37.592)
  Bottom Layer w0.762: v1(139.37,61.976) 138.989,61.976 ccw(c138.989,59.436) 136.449,59.436 136.449,52.807 ccw(c138.989,52.807) 138.989,50.267 152.146,50.267 cw(c152.146,47.727) 154.686,47.727 v1(154.686,40.742) ; v2(139.936,77.692) v2(146.322,77.692) 159.746,77.692 ccw(c159.746,79.336) P3.4@161.391,79.336 160.727,80.001 J1.4@160.727,82.73 ; v1(149.479,59.182) 161.823,59.182 ccw(c161.823,61.722) 164.363,61.722 164.363,63.194 ; v1(164.363,73.533) 164.363,63.194 ; J1.3@169.377,82.73 J1.2@169.377,86.73 cw(c170.383,86.73) 170.383,87.737 v1(197.579,87.737) ; v1(169.672,63.195) 164.44,63.195 ccw(c164.44,61.062) 164.363,63.194 ; v2(177.419,33.782) 192.303,33.782 ccw(c192.303,36.322) 194.843,36.322 194.843,37.871 cw(c195.885,37.871) 195.885,38.913 v1(200.203,38.913) ; v1(179.476,67.437) 182.601,67.437 v1(182.626,67.412) ; v1@180.492,37.445 180.492,42.52 cw(c182.651,42.52) v2(182.651,44.679) v2@182.702,44.679 ; v1(204.495,77.419) 204.495,76.693 ccw(c205.242,76.693) 205.242,75.946 207.352,75.946 cw(c207.352,73.951) 209.347,73.951 v1(209.347,65.247)
  Bottom Layer w1.27: v1(123.673,29.82) ccw(c123.673,30.963) 124.816,30.963 124.816,35.179 cw(c125.948,35.179) 125.948,36.312 v1(127.036,36.312) ; v1(144.069,15.494) 144.069,8.28 ccw(c146.609,8.28) 146.609,5.74 v2(154.762,5.74) 173.939,5.74 ccw(c173.939,8.28) 176.479,8.28 176.479,32.842 cw(c177.419,32.842) v2(177.419,33.782)
  other v1: 176,6 179,6 182,6 185,6 188,6 176,9 179,9 182,9 185,9 188,9 176,12 179,12 182,12 185,12 188,12 84.25,35.883 88,36 144.475,36.363 202.108,38.938 84.25,40.55 88,40.667 84.25,45.217 88,45.333 84.25,49.883 88,50 84.25,54.55 88,54.667 84.25,59.217 88,59.333 189,62 192,62 195,62 198,62 201,62 84.25,63.883 88,64 189,65 192,65 195,65 198,65 201,65 62,87 65,87 68,87 71,87 74,87 77,87 80,87 83,87 86,87 89,87
EPHY_LINK_LED: U1.49 U11.10 | length 191.1
  Top Layer w0.305: v1(107.721,79.477) 107.721,80.825 cw(c109.091,80.825) 109.091,82.194 135.661,82.194 cw(c135.661,81.28) v1@136.576,81.28
  Bottom Layer w0.305: U11.10@105.142,46.588 105.142,48.881 ccw(c104.01,48.881) 104.01,50.013 92.398,50.013 cw(c92.398,51.098) 91.313,51.098 91.313,61.735 cw(c92.037,61.735) 92.037,62.459 106.165,62.459 ccw(c106.165,64.015) 107.721,64.015 v1(107.721,79.477) ; v1(136.754,81.331) 136.754,76.987 ccw(c139.294,76.987) 139.294,74.447 205.88,74.447 cw(c205.88,73.012) 207.315,73.012 207.315,54.153 cw(c205.816,54.153) v1(205.816,52.654)
EPHY_SPD_LED: U1.50 U11.11 | length 185.8
  Top Layer w0.305: v1(106.528,79.477) 106.528,81.099 cw(c108.207,81.099) 108.207,82.779 136.347,82.779 cw(c136.347,81.382) 137.744,81.382 v1(137.82,81.305)
  Bottom Layer w0.305: U11.11@97.014,46.588 97.014,47.714 ccw(c95.63,47.714) 95.63,49.098 92.304,49.098 cw(c92.304,50.724) 90.678,50.724 90.678,61.976 cw(c91.897,61.976) 91.897,63.195 105.283,63.195 ccw(c105.283,64.44) 106.528,64.44 v1(106.528,79.477) ; v1@106.705,79.375 cw(c106.731,79.375) v1@106.731,79.4 ; v1(137.82,81.305) 137.82,77.47 ccw(c140.36,77.47) 140.36,74.93 206.336,74.93 cw(c206.336,73.443) 207.823,73.443 207.823,55.169 ccw(c210.337,55.169) v1(210.337,52.654)
GND: L2.2 L3.2 P8.5 P8.6 R12.1 R12.2 R12.3 R12.4 R13.1 R13.2 R13.3 R13.4 | length 173.3
  Top Layer w1.27: 68.072,40.107 68.072,17.424 ccw(c68.199,17.424) 68.199,17.297 ccw(c69.469,17.297) 69.469,16.027 75.311,16.027 cw(c75.311,13.487) 77.851,13.487 v2(77.851,4.013) ; v2@138.63,15.367 v2(138.63,15.392) L3.2@138.63,16.474 141.633,19.477 L2.2@141.633,19.949 cw(c141.633,20.13) 141.453,20.13 v2@141.453,25.857 ; v2@141.453,25.984 ccw(c141.376,25.984) v2(141.376,26.06) cw(c141.402,26.06) 141.402,26.086 R13.1@145.771,26.086 R13.2@146.571,26.086 R13.3@147.625,26.086 ; v2@144.399,48.082 R12.2@146.545,48.082 R12.3@147.345,48.082 R12.4@148.145,48.082
  Bottom Layer w1.27: v2(77.851,4.013) ccw(c80.112,4.013) 80.112,1.753 132.08,1.753 ccw(c132.08,3.835) 134.163,3.835 134.163,12.852 cw(c136.703,12.852) 136.703,15.392 v2(138.63,15.392) ; v2(141.376,26.06) 138.074,26.06 cw(c138.074,27.889) 136.246,27.889 136.246,45.542 cw(c138.786,45.542) 138.786,48.082 v2@144.399,48.082
  other v2: 67.386,40.665 68.885,40.665 67.386,42.113 68.885,42.113 144.399,48.031
GND_IN: C9.1 L1.4 P8.1 P8.2 R14.1 U10.13 | length 246.7
  Top Layer w0.762: v2@73.304,6.96 cw(c73.304,6.858) v2(73.406,6.858) 73.406,3.145 ccw(c75.764,3.145) 75.764,0.787 193.18,0.787 ccw(c193.18,1.676) U10.13@194.069,1.676
  Top Layer w3.302: L1.4@101.894,22.43 101.894,15.443 ccw(c104.434,15.443) C9.1@104.434,12.903
  Bottom Layer w3.302: 68.732,49.352 61.646,49.352 ccw(c61.646,46.812) 59.106,46.812 59.106,9.703 ccw(c61.646,9.703) 61.646,7.163 99.354,7.163 ccw(c99.354,9.703) 101.894,9.703 101.894,12.903 ; L1.4@101.894,22.43 101.894,12.903 ; C9.1@104.604,12.903 101.894,12.903
I2C0_OE: R7.2 U1.31 U7.23 | length 35.9
  Top Layer w0.254: R7.2@183.147,61.773 183.147,62.776 ccw(c182.474,62.776) 182.474,63.449 178.344,63.449 ccw(c178.344,61.153) 176.048,61.153 U7.23@176.048,58.058 176.048,57.136 ccw(c176.44,57.136) 176.44,56.744 177.165,56.744 cw(c177.165,56.363) 177.546,56.363 177.546,47.269 ccw(c178.638,47.269) 178.638,46.177 184.125,46.177 ccw(c184.125,46.812) 184.76,46.812 184.76,48.79 ccw(c184.193,48.79) U1.31@184.193,49.356
I2C0_SCL: R7.3 U1.29 U7.26 | length 24.6
  Top Layer w0.254: U1.29@181.653,49.356 181.653,48.176 cw(c181.305,48.176) 181.305,47.828 178.537,47.828 cw(c178.537,48.367) 177.998,48.367 U7.26@177.998,58.058 177.998,62.066 cw(c178.67,62.066) 178.67,62.738 182.068,62.738 cw(c182.068,62.46) 182.347,62.46 R7.3@182.347,61.773
I2C0_SDA: R7.4 U1.27 U7.27 | length 15.7
  Top Layer w0.254: U1.27@179.113,49.356 cw(c179.113,49.822) 178.648,49.822 U7.27@178.648,58.058 178.648,61.095 cw(c179.325,61.095) 179.325,61.773 R7.4@181.547,61.773 R7.4@181.547,62.166
I2C1_SCL: P1.2 R6.8 U1.15 | length 116.2
  Top Layer w0.254: R6.8@139.167,66.396 139.167,74.715 ccw(c137.402,74.715) 137.402,76.479 121.437,76.479 cw(c121.437,77.292) 120.625,77.292 120.625,79.676 cw(c121.14,79.676) 121.14,80.192 P1.2@123.257,80.192 138.926,80.192 ccw(c138.926,81.092) 139.827,81.092 139.827,81.89 cw(c140.716,81.89) 140.716,82.779 143.535,82.779 ; 143.612,82.779 143.535,82.779 ; U1.15@194.358,84.518 194.358,88.04 ccw(c193.04,88.04) 193.04,89.357 146.507,89.357 ccw(c146.507,87.528) 144.678,87.528 144.678,83.922 cw(c143.535,83.922) 143.535,82.779
I2C1_SDA: P1.3 R6.7 U1.17 | length 121.3
  Top Layer w0.254: R6.7@139.967,66.396 139.967,75.375 ccw(c138.405,75.375) 138.405,76.937 121.615,76.937 cw(c121.615,77.368) 121.183,77.368 121.183,78.432 cw(c121.693,78.432) 121.693,78.942 P1.3@123.257,78.942 139.536,78.942 ccw(c139.536,79.791) 140.386,79.791 140.386,81.049 cw(c141.556,81.049) 141.556,82.22 144.551,82.22 ccw(c144.551,82.982) 145.313,82.982 145.313,87.554 cw(c146.66,87.554) 145.603,88.389 cw(c146.66,87.554) 146.66,88.9 191.817,88.9 cw(c191.817,87.397) 193.319,87.397 193.319,83.096 ccw(c193.865,83.096) 193.865,82.55 196.317,82.55 ccw(c196.317,83.131) 196.898,83.131 U1.17@196.898,84.518
I2C2_SCL: P2.2 R6.6 U1.64 | length 117
  Top Layer w0.254: R6.6@140.767,66.396 140.767,71.951 cw(c141.764,71.951) 141.764,72.949 143.638,72.949 ccw(c143.638,73.633) 144.323,73.633 144.323,75.387 ccw(c143.459,75.387) 143.459,76.251 142.062,76.251 cw(c142.062,77.064) 141.249,77.064 141.249,79.275 cw(c142.166,79.275) 142.166,80.192 P2.2@144.72,80.192
  Top Layer w0.305: P2.2@144.72,80.192 ccw(c144.775,80.192) 144.775,80.137 P2.2@145.339,80.137
  Top Layer w0.508: P2.2@145.339,80.137 v1(146.355,80.137)
  Bottom Layer w0.305: v1(146.355,80.137) 147.244,80.137 ccw(c147.244,81.001) 148.107,81.001 148.107,88.669 cw(c148.872,88.669) 148.872,89.433 210.538,89.433 cw(c210.538,87.856) 212.115,87.856 212.115,70.891 cw(c211.455,70.891) v1(211.455,70.231)
I2C2_SDA: P2.3 R6.5 U1.66 | length 111.8
  Top Layer w0.254: R6.5@141.567,66.396 141.567,71.661 cw(c142.296,71.661) 142.296,72.39 143.894,72.39 ccw(c143.894,73.377) 144.882,73.377 144.882,76.098 ccw(c144.272,76.098) 144.272,76.708 142.342,76.708 cw(c142.342,77.013) 142.037,77.013 142.037,78.585 cw(c142.394,78.585) 142.394,78.942 P2.3@144.72,78.942
  Top Layer w0.508: P2.3@144.72,78.942 cw(c144.747,78.942) 144.747,78.969 v1(146.355,78.969)
  Bottom Layer w0.305: v1(146.355,78.969) 147.853,78.969 ccw(c147.853,79.807) 148.692,79.807 148.692,87.979 cw(c149.511,87.979) 149.511,88.798 210.21,88.798 cw(c210.21,87.605) 211.404,87.605 211.404,73.304 cw(c210.845,73.304) v1(210.845,72.746)
KEY(A7): C1.2 K1.1 R3.1 U1.62 | length 27.2
  Top Layer w0.305: K1.1@205.58,87.813 cw(c206.527,87.813) 206.527,88.76 R3.1@207.806,88.76 207.835,88.76 209.525,87.071 209.575,87.071 C1.2@209.916,86.73 ; C1.2@210.236,86.73 cw(c210.236,84.394) 212.573,84.394 212.573,69.379 cw(c210.981,69.379) U1.62@210.981,67.787
  Top Layer w0.508: C1.2@209.916,86.73 C1.2@210.236,86.73
LEDB(C3): R2.7 U1.48 | length 27.5
  Top Layer w0.305: U1.48@204.513,43.456 204.513,44.927 ccw(c203.669,44.927) 203.669,45.771 198.882,45.771 cw(c198.882,46.355) 198.298,46.355 198.298,50.47 cw(c198.679,50.47) 198.679,50.851 200.101,50.851 cw(c200.101,50.267) 200.685,50.267 200.685,48.411 ccw(c201.37,48.411) 201.37,47.727 207.785,47.727 cw(c207.785,46.813) 208.699,46.813 R2.7@208.699,45.669
LEDG(C2): R2.6 U1.47 | length 8.3
  Top Layer w0.254: U1.47@204.513,49.356 U1.47@204.876,49.356
  Top Layer w0.305: U1.47@204.876,49.356 208.545,49.356 cw(c208.545,48.402) 209.499,48.402 R2.6@209.499,45.669